# Altium PCB RFFE-Ver1A.PcbDoc (part 2 of 7)
Units mm, origin at the board's own origin, x right, y up, seen from the top; angles counter-clockwise.
Board outline 301.4 x 196.6 mm, 10 copper layers (RFsignal Top, Ground RF signal, Supply, SupplyGND, Digital signal, DigitalGND, CallTone RF, Ground Calltone, Ground RF signal (Plane6), RFsignal Bottom), stack 1.907 mm thick; 558 components, 369 nets, 2153 pads, 4580 vias.
Unrouted connection lines stored in the file: 1.
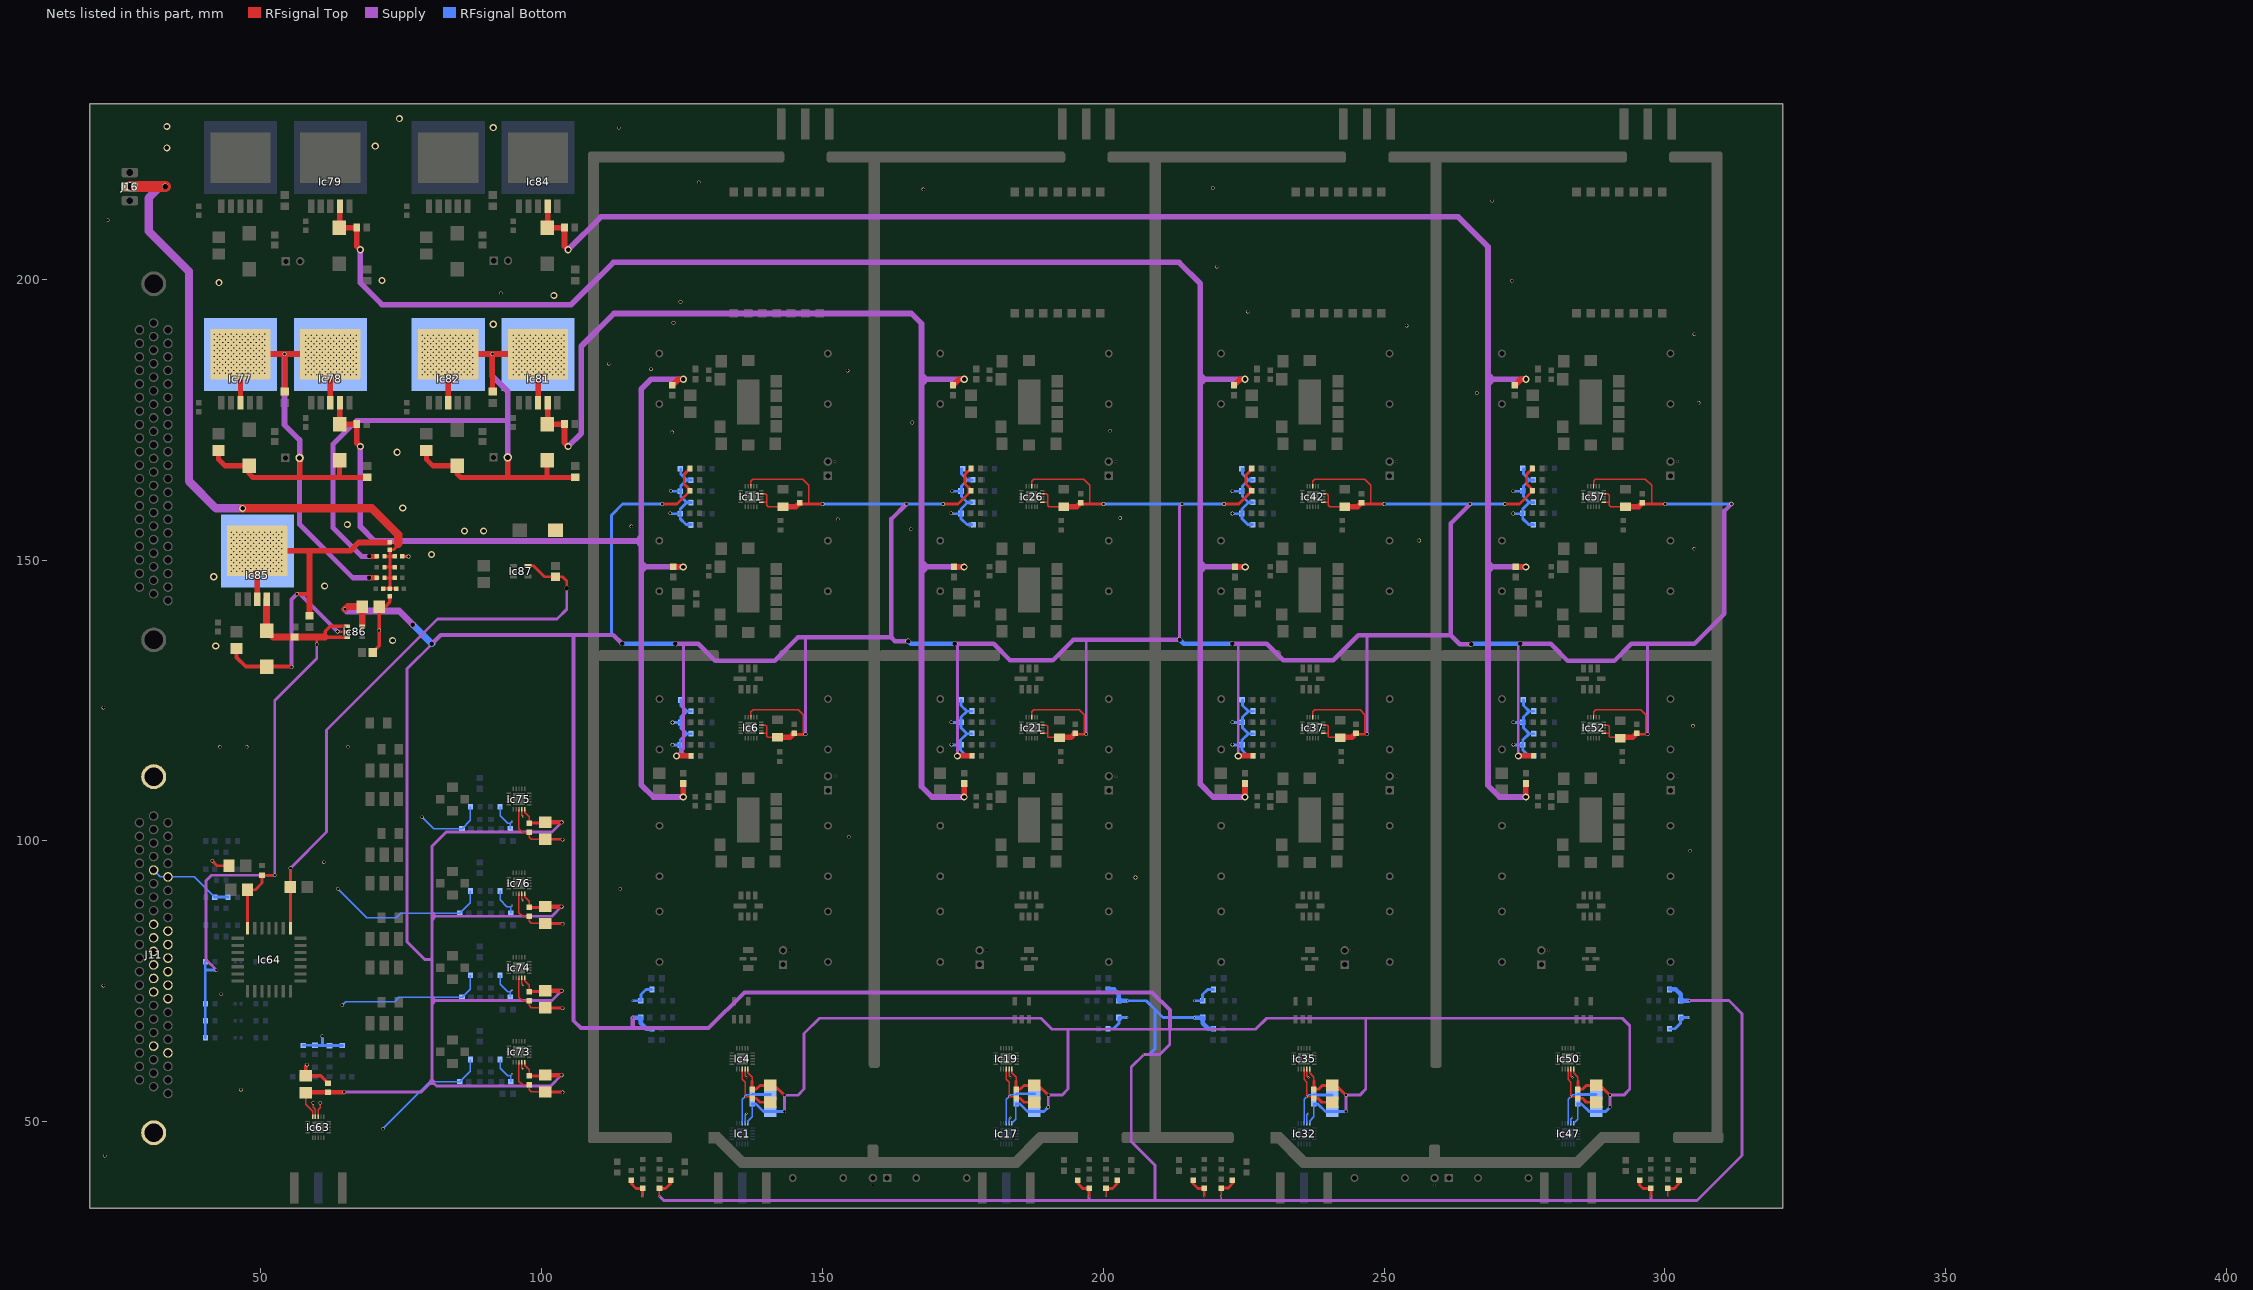
[diagram p10: the nets of this part, all layers, seen from the top]

## Part data
C1 C2 C3 C5 C7 C20 C21 C22 C23 C24 C26 C28 C41 C42 C43 C44 C45 C47 C49 C62 C63 C64 C65 C66 C68 C70 C82 C84 C94 C104 C105 C106 C107: "CAP CER 100PF 50V 5% NP0 0603"
C4 C6 C25 C27 C46 C48 C67 C69: library part GRM31C5C1E104JA01L, "CAP CER 0.1UF 25V 5% NP0 1206"
C8 C9 C10 C11 C12 C13 C14 C15 C16 C17 C29 C30 C31 C32 C33 C34 C35 C36 C37 C38 C50 C51 C52 C53 C54 C55 C56 C57 C58 C59 C72 C73 C74 C75 C76 C77 C78 C79 C80 C81 C87 C88 C89 C90 C91 C92 C96 C97 C98 C99 C100 C101 C102 C103: "CAP CER 47PF 50V 5% NP0 0603"
C18 C19 C39 C40 C60 C61 C71 C83 C85 C86 C93 C95 C108 C109 C110 C111 C131 C133 C135 C137 C138 C141 C142 C143 C147 C149 C150 C154: library part T495B475K016ZTE800, "CAP TANT 4.7UF 16V 10% 1411"
C112 C113 C114 C115 C118 C119 C120 C121 C127 C129: library part T495D336K016ATE150, "CAP TANT 33UF 16V 10% 2917"
C116 C117 C122 C123 C124 C125 C128: library part T520B106M016ATE100, "CAP TANT 10UF 16V 20% 1411"
C126 C130: library part C2012C0G1H103J/0.60, "CAP CER 10000PF 50V 5% NP0 0805"
C132 C134 C136 C139 C140 C144 C145 C146 C148 C151 C152 C153: "CAP CER 1000PF 50V 5% NP0 0603"
D1 D2 D3 D4: "DIODE SCHOTTKY SS 30V 100MA 2VMN"
Ic1 Ic4 Ic17 Ic19 Ic32 Ic35 Ic47 Ic50 Ic63 Ic73 Ic74 Ic75 Ic76: library part Minicircuits-HSWA2-30DR+, "Absoptive RF Switch SPDT"
Ic2 Ic14 Ic15 Ic16 Ic29 Ic30 Ic31 Ic33 Ic45 Ic46 Ic48 Ic60 Ic61 Ic62: library part PPG101A1RD
Ic3 Ic18 Ic34 Ic49: library part Minicircuits-SBTC-2-10L, "Power Splitter 2 way"
Ic5 Ic7 Ic8 Ic20 Ic22 Ic23 Ic36 Ic38 Ic39 Ic51 Ic53 Ic54: library part Minicircuits-TAMP-72LN+, "LNA 20 dB Low Noise Figure"
Ic6 Ic11 Ic21 Ic26 Ic37 Ic42 Ic52 Ic57: library part Minicircuits-DAT-31R5-SP+, "Serial Digital Step Attenuator 31.5 step:0.5dB"
Ic9 Ic10 Ic24 Ic25 Ic40 Ic41 Ic55 Ic56: library part TST-TA0568A, "Band Pass Filter FC475MHz 3dB@12MHz"
Ic12 Ic27 Ic43 Ic58: library part Minicircuits-LFCN-530+, "Low Pass Filter 3dB@530MHz"
Ic13 Ic28 Ic44 Ic59: library part Minicircuits-BPF-C495+, "Band Pass Filter FC495MHz 3dB@50MHz"
Ic64: library part Minicircuits-GSWA-4-30DR, "SP4T Absorptive GaAs Switch"
Ic65 Ic66 Ic67 Ic68: library part Minicircuits-ADC-10-4, "Coupler 10 dB"
Ic69: library part Minicircuits-PAT-1+, "Fixed Attenuator 1 dB"
Ic70: library part Minicircuits-PAT-0+, "Fixed Attenuator 0 dB"
Ic71: library part Minicircuits-PAT-2+, "Fixed Attenuator 2 dB"
Ic72: library part Minicircuits-PAT-3+, "Fixed Attenuator 3 dB"
Ic77 Ic78 Ic79 Ic80 Ic81 Ic82 Ic83 Ic84 Ic85: library part LT1764AEQ#PBF
Ic86: "IC LDO REG HI-PSRR 3V SOT23-5"
Ic87: "IC LDO REG NEG LOWNOISE TSOT23-5"
J1 J2 J3 J4 J5 J6 J7 J8 J9: library part 132289RP, "CONN RCPT BLKHD SMA REV POL PCB"
J10 J11: library part 5749639-1, "CONN D-SUB PLUG R/A 62POS 30GOLD"
J12 J13 J14 J15: library part 4-103321-4, "CONN HEADR BRKWAY .100 2POS STR"
J16: "CONN TERM BLK HDR 2.5MM 3POS"
L1 L2 L3 L4 L5 L6 L7 L8 L9 L10 L11 L12: "FERRITE CHIP 600 OHM 800MA 0603"
R1 R2 R3 R4 R5 R6 R7 R8 R9 R10 R11 R12 R13 R14 R37 R38 R39 R40 R41 R42 R45 R46 R47 R48 R51 R52 R53 R54 R55 R56 R57 R58 R59 R60 R61 R62 R63 R64 R84 R85 R86 R87 R88 R89 R95 R96 R97 R98 R99 R100 R101 R102 R103 R104 R105 R106 R107 R108 R109 R110 R111 R112 R135 R136 R137 R138 R139 R140 R143 R144 R145 R146 R149 R150 R151 R152 R153 R154 R155 R156 R157 R158 R159 R160 R161 R162 R184 R185 R186 R187 R188 R189 R193 R194 R195 R196 R201 R202 R203 R205 R213 R214 R215 R216 R217 R218 R241 R242 R243 R244 R245 R246 R247 R248: "RES 10K OHM 1/10W 5% 0603 SMD"
R15 R16 R17 R25 R26 R34 R35 R36 R43 R44 R49 R50 R68 R69 R70 R72 R73 R90 R91 R92 R93 R94 R115 R116 R117 R120 R121 R132 R133 R134 R141 R142 R147 R148 R167 R168 R169 R170 R171 R172 R173 R190 R191 R192: "RES 46.4 OHM 1% 50PPM 1/2W"
R18 R19 R20 R21 R65 R66 R67 R113 R114 R118 R119 R163 R164 R165 R166 R225 R226 R227 R228 R229 R230 R231 R232: library part ERJ-3GEY0R00V, "RES 0.0 OHM 1/10W 0603 SMD"
R22 R23 R24 R27 R28 R29 R30 R31 R32 R33 R74 R75 R76 R77 R78 R79 R80 R81 R82 R83 R122 R123 R124 R125 R126 R127 R128 R129 R130 R131 R174 R175 R176 R177 R178 R179 R180 R181 R182 R183 R207 R208 R209 R210 R211 R212 R219 R233 R234 R235 R236 R237 R238 R239 R240: "RES 100 OHM 1/10W 5% 0603 SMD"
R71 R204 R206 R249 R250 R251 R252 R261 R262 R263 R264 R273: "RES 0.0 OHM 1/10W 0603 SMD"
R197 R198 R199 R200: "RES 10 OHM 1/10W 5% 0603 SMD"
R220 R221 R222 R223 R224: library part CHF1206CNT500LW, "RES 50 OHM 20W 5% 1206 SMD"
R253 R254 R255 R256 R265 R266 R267 R268 R274: library part ERA-6AEB472V, "RES 4.7K OHM 1/8W .1% 0805 SMD"
R257 R259 R269 R271 R275: library part ERA-6AEB102V, "RES 1.0K OHM 1/8W .1% 0805 SMD"
R258 R260 R270 R272: library part ERA-6AEB152V, "RES 1.5K OHM 1/8W .1% 0805 SMD"

## Free pads (board coordinates)
  rrect50% 2x176 smd: 0(109.25,134.52) 0(309.25,134.26)
  rrect50% 15x2 smd: 0(115.75,47.195) 0(215.75,47.195)
  rrect50% 21.5x2 smd: 0(120.875,133) 0(170.875,133) 0(220.875,133) 0(270.875,133)
  rrect50% 35x2 smd: 0(125.75,221.75) 0(175.75,221.75) 0(225.75,221.75) 0(275.75,221.75)
  rect 2x2 smd: 0(130.76,47.16) 0(230.76,47.16)
  rect 7x2 smd rot 135: 0(133.525,44.975) 0(233.525,44.975)
  rect 25x2 smd: 0(147.89,42.75) 0(172.25,42.75) 0(247.89,42.75) 0(272.25,42.75)
  rrect50% 18x2 smd: 0(151.25,133) 0(201.25,133) 0(251.25,133) 0(301.25,133)
  rrect50% 9.5x2 smd: 0(155.5,221.75) 0(205.5,221.75) 0(255.5,221.75) 0(305.5,221.75)
  rrect50% 2x4 smd: 0(159,44) 0(259,44)
  rrect50% 2x162 smd mask+0.102: 0(159.25,140.6) 0(259.25,140.6)
  rect 7x2 smd rot 45: 0(186.62,44.975) 0(286.62,44.975)
  rect 7x2 smd: 0(191.985,47.195) 0(291.985,47.195)
  rrect50% 7x2 smd: 0(206.74,47.195)
  rect 2x176 smd: 0(209.25,134.52)
  rrect50% 9x2 smd: 0(305.94,47.195)
  rect 13x13 smd far side: ""(46.4,186.65) ""(46.4,221.65) ""(49.4,151.65) ""(62.4,186.65) ""(62.4,221.65) ""(83.4,186.65) ""(83.4,221.65) ""(99.4,186.65) ""(99.4,221.65)

## Via types
v1: diameter 0.35, hole 0.254, RFsignal Top to RFsignal Bottom, 1882 vias
v2: diameter 0.635, hole 0.508, RFsignal Top to RFsignal Bottom, 1038 vias
v3: diameter 0.33, hole 0.254, RFsignal Top to RFsignal Bottom, 963 vias
v4: diameter 0.381, hole 0.254, RFsignal Top to RFsignal Bottom, 596 vias
v5: diameter 1.27, hole 0.762, RFsignal Top to RFsignal Bottom, 41 vias
v6: diameter 3.9, hole 2.65, RFsignal Top to RFsignal Bottom, 20 vias
v7: diameter 0.85, hole 0.8, RFsignal Top to RFsignal Bottom, 15 vias
v8: diameter 0.635, hole 0.508, RFsignal Top to RFsignal Bottom, tented bottom, 9 vias
v9: diameter 0.6, hole 0.508, RFsignal Top to RFsignal Bottom, 8 vias
v10: diameter 5, hole 3.5, RFsignal Top to RFsignal Bottom, 4 vias
v11: diameter 1.1, hole 1, RFsignal Top to RFsignal Bottom, 2 vias
v12: diameter 1.27, hole 0.762, RFsignal Top to RFsignal Bottom, tented top, 1 vias
v13: diameter 0.85, hole 0.8, RFsignal Top to RFsignal Bottom, tented top, 1 vias

## Nets (pads, with @x,y where several pads share a name; then routed paths per layer and width w, separated by ;. In a path a pad name is that pad's centre, name@x,y a point inside that pad or via, vN(x,y) a via of type N, cw(c..) or ccw(c..) an arc to the next point about the centre after c; other vN are vias at no path point)
3VGND: C18.2 C19.2 C20.2 C21.2 C39.2 C40.2 C41.2 C42.2 C60.2 C61.2 C62.2 C63.2 C71.2 C82.2 C83.2 C84.2 C93.2 C94.2 C104.2 C105.2 C106.2 C107.1 C108.2 C109.2 C110.2 C111.2 C125.2 C130.2 Ic1.18 Ic4.18 Ic17.18 Ic19.18 Ic32.18 Ic35.18 Ic47.18 Ic50.18 Ic63.18 Ic73.18 Ic74.18 Ic75.18 Ic76.18 Jmp7.1 | length 148.3
  RFsignal Top w0.254: Ic63.18@60.248,50.895 60.248,52.148 60.6,52.5 v2(60.6,53.4) ; Ic73.18@95.99,60.625 95.99,57.21 96.62,56.58 C107.1@97.79,56.58 97.79,55.716 98.176,55.33 C111.2@100.69,55.33 ; Ic74.18@95.99,75.625 95.99,72.21 96.62,71.58 C105.2@97.79,71.58 97.79,70.716 98.176,70.33 C109.2@100.69,70.33 ; Ic76.18@95.99,90.625 95.99,87.21 96.62,86.58 C106.2@97.79,86.58 97.79,85.716 98.176,85.33 C110.2@100.69,85.33 ; Ic75.18@95.99,105.625 95.99,102.21 96.62,101.58 C104.2@97.79,101.58 ; C104.2@97.79,101.57 97.79,100.706 98.176,100.32 C108.2@100.69,100.32 ; Ic4.18@135.75,59.405 135.75,57.55 136.25,57.05 v3(136.25,54.5) 137.2,54.5 C21.2@137.5,54.2 ; Ic19.18@182.75,59.405 182.75,57.55 183.25,57.05 v3(183.25,54.5) C42.2@184.2,54.5 ; Ic35.18@235.75,59.405 235.75,57.55 236.25,57.05 v3(236.25,54.5) C63.2@237.2,54.5 ; Ic50.18@282.75,59.405 282.75,57.55 283.25,57.05 v3(283.25,54.5) C84.2@284.2,54.5
  RFsignal Top w0.508: C111.2@100.69,55.33 v2@103.75,55.33 ; C109.2@100.69,70.25 v2(103.75,70.25) ; C110.2@100.69,85.33 103.75,85.33 v2(103.75,85.25) ; C108.2@100.69,100.32 103.75,100.32 v2(103.75,100.25) ; C21.2@137.5,54.2 138.2,54.2 138.9,53.5 C19.2@140.75,53.5 ; C42.2@184.5,54.2 185.2,54.2 185.9,53.5 C40.2@187.75,53.5 ; C63.2@237.5,54.2 238.2,54.2 238.9,53.5 C61.2@240.75,53.5 ; C84.2@284.5,54.2 285.3,54.2 286,53.5 C83.2@287.75,53.5
  RFsignal Top w0.6: v2(58.25,60.2) 58,59.95 C93.2@58,58.2 60.7,58.2 C94.2@62,56.9 ; C130.2@69.95,133.6 71.1,134.75 v2(71.1,137.5) C125.2@71.1,141.7 72.15,141.7 73,142.55 Jmp7.1@73,143.6
  RFsignal Bottom w0.254: Ic1.18@135.75,49.745 135.75,54 v3(136.25,54.5) 136.55,54.8 C20.2@137.5,54.8 ; Ic17.18@182.75,49.745 182.75,54 v3(183.25,54.5) 183.55,54.8 C41.2@184.5,54.8 ; Ic32.18@235.75,49.745 235.75,54 v3(236.25,54.5) 236.55,54.8 C62.2@237.5,54.8 ; Ic47.18@282.75,49.745 282.75,54 v3(283.25,54.5) 283.55,54.8 C82.2@284.5,54.8
  RFsignal Bottom w0.508: C20.2@137.55,54.85 C18.2@140.75,54.85 ; C41.2@184.5,54.8 184.7,55 C39.2@187.75,55 ; C62.2@237.5,54.8 C60.2@240.7,54.8 ; C82.2@284.55,54.85 C71.2@287.75,54.85
  other v2: 103.75,55.25
  other v5: 42,134.7 73.5,135.7 61.4,145.4 41.663,147.049 80.4,151 86.3,155.2 89.7,155.2 65.433,156.328 75.3,159.3 74.3,169.2 91.4,192 102.2,197.1 42.6,199.4 71.6,199.8 33.3,223.4 70.4,223.7 91.4,227 33.3,227.2 74.7,228.6
5VGND: C128.2 C129.2 Ic85.3 Ic85.6 Ic86.2 Jmp3.1 pad.@49.4,151.65 R275.2 | length 83.5
  RFsignal Top w0.508: v2@63.75,137.25 Ic86.2@65.4,137.25
  RFsignal Top w0.7: C128.2@45.7,134.25 45.7,132.7 47.35,131.05 C129.2@51.05,131.05 v2@55.45,131.05 ; v2(56.5,144) 58.7,144
  RFsignal Top w1: Ic85.3@49.4,143 Ic85.6@49.4,151.65 65.95,151.65 67.45,153.15 Jmp3.1@72.95,153.15 ; R275.2@58.7,140.1 58.7,151.6
  Supply w0.7: v2(55.5,131) 55.5,143 v2(56.5,144) 57,144 v2(63.7,137.3)
  other v1: 44.75,148 45.75,148 46.75,148 47.75,148.013 48.75,148 49.75,148 50.75,148 51.75,148 52.75,148 53.75,148.013 45.25,148.5 46.25,148.5 47.25,148.5 49.25,148.5 50.25,148.5 51.25,148.5 52.25,148.5 53.25,148.5 48.25,148.513 44.75,149 45.75,149 46.75,149 48.75,149 49.75,149 50.75,149 51.75,149 52.75,149 47.75,149.013 53.75,149.013 45.25,149.5 46.25,149.5 47.25,149.5 48.25,149.513 49.25,149.5 50.25,149.5 51.25,149.5 52.25,149.5 53.25,149.5 44.75,150 45.75,150 46.75,150 47.75,150.013 48.75,150 49.75,150 50.75,150 51.75,150 52.75,150 53.75,150.013 45.25,150.5 46.25,150.5 47.25,150.5 49.25,150.5 50.25,150.5 51.25,150.5 52.25,150.5 53.25,150.5 48.25,150.513 44.75,151 45.75,151 46.75,151 47.75,151.013 48.75,151 49.75,151 50.75,151 51.75,151 52.75,151 53.75,151.013 45.25,151.5 46.25,151.5 47.25,151.5 48.25,151.513 49.25,151.5 50.25,151.5 51.25,151.5 52.25,151.5 53.25,151.5 44.75,152 45.75,152 46.75,152 48.75,152 49.75,152 50.75,152 51.75,152 52.75,152 47.75,152.013 53.75,152.013 45.25,152.5 46.25,152.5 47.25,152.5 48.25,152.513 49.25,152.5 50.25,152.5 51.25,152.5 52.25,152.5 53.25,152.5 44.75,153 45.75,153 46.75,153 47.75,153.013 48.75,153 49.75,153 50.75,153 51.75,153 52.75,153 53.75,153.013 45.25,153.5 46.25,153.5 47.25,153.5 49.25,153.5 50.25,153.5 51.25,153.5 52.25,153.5 53.25,153.5 48.25,153.513 44.75,154 45.75,154 46.75,154 48.75,154 49.75,154 50.75,154 51.75,154 52.75,154 47.75,154.013 53.75,154.013 45.25,154.5 46.25,154.5 47.25,154.5 48.25,154.513 49.25,154.5 50.25,154.5 51.25,154.5 52.25,154.5 53.25,154.5 44.75,155 45.75,155 46.75,155 48.75,155 49.75,155 50.75,155 51.75,155 52.75,155 47.75,155.013 53.75,155.013
+3V: C4.1 C5.1 C6.1 C7.1 C14.1 C16.1 C18.1 C19.1 C20.1 C21.1 C25.1 C26.1 C27.1 C28.1 C36.1 C38.1 C39.1 C40.1 C41.1 C42.1 C46.1 C47.1 C48.1 C49.1 C56.1 C58.1 C60.1 C61.1 C62.1 C63.1 C67.1 C68.1 C69.1 C70.1 C71.1 C76.1 C81.1 C82.1 C83.1 C84.1 C93.1 C94.1 C104.1 C105.1 C106.1 C107.2 C108.1 C109.1 C110.1 C111.1 C125.1 Ic1.20 Ic4.20 Ic6.6 Ic6.9 Ic6.13 Ic11.6 Ic11.9 Ic11.13 Ic17.20 Ic19.20 Ic21.6 Ic21.9 Ic21.13 Ic26.6 Ic26.9 Ic26.13 Ic32.20 Ic35.20 Ic37.6 Ic37.9 Ic37.13 Ic42.6 Ic42.9 Ic42.13 Ic47.20 Ic50.20 Ic52.6 Ic52.9 Ic52.13 Ic57.6 Ic57.9 Ic57.13 Ic63.20 Ic73.20 Ic74.20 Ic75.20 Ic76.20 Ic86.5 R6.1 R10.1 R11.1 R45.1 R47.1 R56.1 R60.1 R61.1 R96.1 R98.1 R104.1 R108.1 R109.1 R143.1 R145.1 R154.1 R158.1 R159.1 R194.2 R196.2 | length 1976
  RFsignal Top w0.254: C93.1@58,55.2 58,53.119 59.248,51.871 Ic63.20@59.248,50.895 ; Ic73.20@96.99,60.625 96.99,60.11 97.79,59.31 C107.2@97.79,58.18 ; Ic74.20@96.99,75.625 96.99,75.11 97.79,74.31 C105.1@97.79,73.18 ; Ic76.20@96.99,90.625 96.99,90.11 97.79,89.31 C106.1@97.79,88.18 ; Ic75.20@96.99,105.625 96.99,105.11 97.79,104.31 C104.1@97.79,103.18 ; v3(121,36.75) C14.1@121,38.15 ; Ic4.20@136.75,59.405 136.75,58.733 137.5,57.983 137.5,57.25 ; Ic6.13@137.29,121.995 137.29,122.988 137.671,123.369 145.731,123.369 146.6,122.5 146.6,119.035 ; Ic11.13@137.29,163.165 137.29,164.042 137.618,164.37 146.541,164.37 147.615,163.296 147.615,160.004 ; Ic6.6@139.135,119.15 140.1,119.15 ; Ic6.9@139.135,120.65 139.85,120.65 140.1,120.4 140.1,119.15 ; Ic11.6@139.135,160.32 140.1,160.32 ; Ic11.9@139.135,161.82 139.85,161.82 140.1,161.57 140.1,160.32 ; C4.1@142,118.45 140.25,118.45 140.1,118.6 140.1,119.15 ; C6.1@142.979,159.524 140.346,159.524 140.1,159.77 140.1,160.32 ; Ic19.20@183.75,59.405 183.75,58.733 184.5,57.983 184.5,57.25 ; Ic21.13@187.29,121.995 187.29,122.988 187.671,123.369 195.731,123.369 196.6,122.5 196.6,119.03 ; Ic26.13@187.29,163.165 187.29,164.042 187.618,164.37 196.541,164.37 197.615,163.296 197.615,160.004 ; Ic21.6@189.135,119.15 190.1,119.15 ; Ic21.9@189.135,120.65 189.85,120.65 190.1,120.4 190.1,119.15 ; Ic26.6@189.135,160.32 190.1,160.32 ; Ic26.9@189.135,161.82 189.85,161.82 190.1,161.57 190.1,160.32 ; C25.1@192,118.45 190.25,118.45 190.1,118.6 190.1,119.15 ; C27.1@192.979,159.524 190.346,159.524 190.1,159.77 190.1,160.32 ; v3(221,36.75) C56.1@221,38.15 ; Ic35.20@236.75,59.405 236.75,58.733 237.5,57.983 237.5,57.25 ; Ic37.13@237.29,121.995 237.29,122.988 237.671,123.369 245.731,123.369 246.6,122.5 246.6,119.04 ; Ic42.13@237.29,163.165 237.29,164.042 237.618,164.37 246.541,164.37 247.615,163.296 247.615,160.014 ; Ic37.6@239.135,119.15 240.1,119.15 ; Ic37.9@239.135,120.65 239.85,120.65 240.1,120.4 240.1,119.15 ; Ic42.6@239.135,160.32 240.1,160.32 ; Ic42.9@239.135,161.82 239.85,161.82 240.1,161.57 240.1,160.32 ; C46.1@242,118.45 240.25,118.45 240.1,118.6 240.1,119.15 ; C48.1@242.979,159.524 240.346,159.524 240.1,159.77 240.1,160.32 ; Ic50.20@283.75,59.405 283.75,58.733 284.5,57.983 284.5,57.25 ; Ic52.13@287.29,121.995 287.29,122.988 287.671,123.369 295.731,123.369 296.6,122.5 v2@296.6,119.05 ; Ic57.13@287.29,163.165 287.29,164.042 287.618,164.37 296.541,164.37 297.615,163.296 297.615,160.022 ; Ic52.6@289.135,119.15 290.1,119.15 ; Ic52.9@289.135,120.65 289.85,120.65 290.1,120.4 290.1,119.15 ; Ic57.6@289.135,160.32 290.1,160.32 ; Ic57.9@289.135,161.82 289.85,161.82 290.1,161.57 290.1,160.32 ; C67.1@292,118.45 290.25,118.45 290.1,118.6 290.1,119.15 ; C69.1@292.979,159.524 290.346,159.524 290.1,159.77 290.1,160.32
  RFsignal Top w0.508: C107.2@97.79,58.18 100.54,58.18 C111.1@100.69,58.33 ; C105.1@97.79,73.18 C109.1@100.54,73.18 ; C106.1@97.79,88.18 C110.1@100.54,88.18 ; C104.1@97.79,103.18 C108.1@100.54,103.18 ; C14.1@121,38.15 122.1,38.15 123,39.05 R45.1@123,39.6 ; v2(121.5,160) 124.12,160 R6.1@126.44,162.32 126.44,162.544 125.406,163.578 125.406,165.286 R10.1@126.44,166.32 ; 137.5,57.25 137.5,55.8 138.2,55.8 138.9,56.5 141.5,56.5 v9(143.25,54.75) ; C5.1@145.18,118.99 v2@147,118.99 ; C7.1@145.98,160.2 146.18,160 v2(150.05,160) ; v2(171.5,160) 174.12,160 R56.1@176.44,162.32 176.44,162.544 175.406,163.578 175.406,165.286 R60.1@176.44,166.32 ; 184.5,57.25 184.5,55.8 185.2,55.8 185.9,56.5 C40.1@187.75,56.5 ; C40.1@188.5,56.5 v9(190.25,54.75) ; C26.1@195.15,119.01 v2(196.97,119.01) ; R96.1@195.5,39.6 195.5,39 196.35,38.15 C36.1@197.5,38.15 v3(197.5,36.75) ; C28.1@195.98,160.2 196.18,160 v2(200.05,160) ; C56.1@221,38.15 221.102,38.252 222.25,38.252 223,39.002 R143.1@223,39.6 ; v2(221.5,160) 224.12,160 R104.1@226.44,162.32 226.44,162.544 225.406,163.578 225.406,165.107 R108.1@226.619,166.32 ; 237.5,57.25 237.5,55.8 238.3,55.8 239,56.5 C61.1@240.75,56.5 ; C61.1@241.5,56.5 v9(243.25,54.75) ; C47.1@245.16,119.01 v2(246.98,119.01) ; C49.1@245.98,160.2 246.18,160 v2(250.05,160) ; v2(271.5,160) 274.12,160 R154.1@276.44,162.32 276.44,162.544 275.406,163.578 275.406,165.286 R158.1@276.44,166.32 ; 284.5,57.25 284.5,55.8 285.3,55.8 286,56.5 C83.1@287.75,56.5 ; C83.1@288.5,56.5 v9(290.25,54.75) ; C68.1@295.09,119.01 v2(296.91,119.01) ; R196.2@295.5,39.6 295.5,38.75 296.1,38.15 C81.1@297.5,38.15 v3(297.5,36.75) ; C70.1@295.98,160.2 296.18,160 v2(300.05,160)
  RFsignal Top w0.8: C93.1@58.1,55.3 v2(64.88,55.3) ; C111.1@100.69,58.33 v2(103.57,58.33) ; C109.1@100.69,73.33 v2(103.57,73.33) ; C110.1@100.69,88.33 v2(103.57,88.33) ; C108.1@100.69,103.32 v2(103.57,103.32)
  RFsignal Top w0.965: C6.1@142.979,159.524 145.304,159.524 C7.1@145.98,160.2 ; C27.1@192.979,159.524 195.304,159.524 C28.1@195.98,160.2 ; C48.1@242.979,159.524 245.304,159.524 C49.1@245.98,160.2 ; C69.1@292.979,159.524 295.304,159.524 C70.1@295.98,160.2
  RFsignal Top w1: v5(124.02,115.13) R11.1@126.57,115.15 ; C4.1@142,118.45 144.25,118.45 C5.1@145,119.2 ; v5(174.03,115.13) R61.1@176.58,115.15 ; C25.1@192,118.45 194.25,118.45 C26.1@195,119.2 ; v5(224.03,115.13) R109.1@226.58,115.15 ; C46.1@242,118.45 244.25,118.45 C47.1@245,119.2 ; v5(273.9,115.13) R159.1@276.45,115.15 ; C67.1@292,118.45 294.25,118.45 C68.1@295,119.2
  RFsignal Top w1.2: v2(65,141.25) 65.5,141.75 C125.1@67.95,141.75 ; Ic86.5@68.1,138.2 C125.1@68.1,141.6
  Supply w0.254: 221,36.04 v3(221,36.75)
  Supply w0.508: v2(64.88,55.3) 78.6,55.3 80.244,56.944 ; 80.5,57.4 80.5,71.6 ; v7(80.5,135.1) 76.06,130.66 76.06,82.052 79.215,78.897 80.5,78.897 ; 80.647,72.152 cw(c80.15,71.6) 80.65,71.05 ; 80.647,87.152 cw(c80.15,86.6) 80.65,86.05 ; 80.756,56.944 81.3,56.4 101.64,56.4 v2(103.57,58.33) ; v2(103.57,73.33) 101.84,71.6 80.5,71.6 ; v2(103.57,88.33) 101.84,86.6 80.5,86.6 ; v2(103.57,103.32) 101.84,101.59 83.035,101.59 80.5,99.055 80.5,86.6 ; v3(121,36.75) 121.77,35.98 305.73,35.98 313.75,44 313.75,69.25 311.4,71.6 v3(304.3,71.6) ; v7(123.8,135.1) v7@124.02,134.88 ; v5(124.02,115.13) 125.25,116.36 125.25,135.1 ; v9(143.253,51.85) 143.253,54.747 145.663,54.747 146.753,55.837 146.753,65.711 149.489,68.447 188.903,68.447 190.875,66.475 211.725,66.475 ; v2@147,118.99 147,136.25 ; v7(173.6,135.1) 174.03,134.67 v5(174.03,115.13) ; v9(190.22,52.6) 190.22,54.72 v9(190.25,54.75) 192.66,54.75 193.75,55.84 193.75,66.417 ; v2(196.97,119.01) 196.97,135.82 ; 197.5,36.02 v3(197.5,36.75) ; 209.25,35.99 209.25,42.25 205,46.5 205,59.75 v3(207.25,62) 210.07,62 211.858,63.788 211.858,66.475 227.125,66.475 229.1,68.45 246.75,68.45 ; v7(213.6,135.85) 213.6,159.56 v2(214.01,159.97) ; v5(224.03,115.13) 224.03,135.07 ; v9(243.25,51.85) v9(243.25,54.75) 245.66,54.75 246.75,55.84 246.75,68.45 ; v2(246.98,119.01) 246.98,136.609 ; v5(273.9,115.13) 273.9,134.75 v7(274.25,135.1) ; v9(290.22,52.6) v9@290.22,54.72 ; v9(290.25,54.75) 292.66,54.75 293.75,55.84 293.75,67.1 292.4,68.45 246.75,68.45 ; v2(296.91,119.01) 296.91,135.09 ; 297.5,36.03 v3(297.5,36.75) ; 80.5,71.6 80.5,78.897 ; 80.5,78.897 80.5,86.6 ; 80.8,57.1 ccw(c80.5,57.1) 80.8,57.1
  Supply w0.7: 105.68,136.593 105.68,67.994 107,66.674 129.729,66.674 136.115,73.06 208.721,73.06 211.858,69.923 211.858,66.475
  Supply w0.8: v7(80.5,135.1) 82.073,136.673 112.793,136.673 v7(114.363,135.103) ; 116.25,66.724 v3(116.25,68.55) ; v7(123.8,135.1) 125.25,135.1 127.9,135.1 130.9,132.1 141.5,132.1 145.65,136.25 162.25,136.25 ; v2(164.96,159.97) 162.39,157.4 162.25,157.4 162.25,136.25 ; v7(165.25,135.6) 162.9,135.6 162.25,136.25 ; v7(173.6,135.1) 180.5,135.1 183.4,132.2 191.05,132.2 194.7,135.85 v7(213.6,135.85) ; v7(222.95,135.1) 229.1,135.1 232.05,132.15 240.95,132.15 245.429,136.629 261.871,136.629 ; v2(265.31,159.97) 261.871,156.531 261.871,136.629 ; v7(265.5,135) 263.5,135 261.871,136.629 ; v7(274.25,135.1) 279.65,135.1 282.7,132.05 290.95,132.05 294,135.1 305.25,135.1 310.6,140.45 310.6,158.75 v2(311.85,160)
  Supply w1.2: v2(65,141.25) 65.325,140.925 74.675,140.925 v7(77.1,138.5)
  RFsignal Bottom w0.254: Ic1.20@136.75,49.745 136.75,50.15 137.5,50.9 C20.1@137.5,53.2 ; Ic17.20@183.75,49.745 184.467,50.462 C41.1@184.467,53.2 ; Ic32.20@236.75,49.745 236.75,50.15 237.5,50.9 C62.1@237.5,53.2 ; Ic47.20@283.75,49.745 284.467,50.462 C82.1@284.467,53.2
  RFsignal Bottom w0.508: v7@114.304,135.1 112.45,136.954 112.45,158 114.45,160 v2(121.5,160) ; C20.1@137.5,53.2 138.2,53.2 139.55,51.85 v9(143.253,51.85) ; v2(150.05,160) v2(171.5,160) ; C41.1@184.467,53.2 185.167,53.2 186.517,51.85 189.47,51.85 v9(190.22,52.6) ; v2(200.05,160) v2(221.5,160) ; v3(204.25,71.55) 207.67,71.55 209.21,70.01 ; v3(207.25,62) 208.21,62 209.21,63 209.21,70.01 ; v3(216.25,68.55) 210.67,68.55 209.21,70.01 ; C62.1@237.497,53.2 238.197,53.2 239.547,51.85 v9(243.25,51.85) ; v2(250.05,160) v2(271.5,160) ; C82.1@284.467,53.2 285.167,53.2 286.517,51.85 289.47,51.85 v9(290.22,52.6) ; v2(300.05,160) v2(311.85,160)
  RFsignal Bottom w0.8: v7@114.304,135.1 v7(123.8,135.1) ; v3@116.27,68.57 C16.1@117.7,68.57 117.7,67.55 118.68,66.57 R47.1@119.65,66.57 ; v7(165.25,135.6) 165.75,135.1 v7(173.6,135.1) ; R98.1@200.85,73.57 201.93,73.57 202.8,72.7 C38.1@202.8,71.57 v3@204.23,71.57 ; v7(213.6,135.85) 214.35,135.1 v7(222.95,135.1) ; v3@216.27,68.57 C58.1@217.7,68.57 217.7,67.55 218.68,66.57 R145.1@219.65,66.57 ; v7@265.6,135.1 v7(274.25,135.1) ; R194.2@300.85,73.57 301.93,73.57 302.8,72.7 C76.1@302.8,71.57 v3@304.23,71.57
  RFsignal Bottom w1.2: v7(77.1,138.5) v7(80.5,135.1)
  other v2: 147,119
A+5V: C113.1 Ic78.4 L1.2 L2.1 L3.2 R254.1 | length 181.1
  RFsignal Top w1: Ic78.4@64.1,177.998 C113.1@64.1,174.2 R254.1@67.1,174.2 ; R254.1@67.1,174.25 R254.1@67.1,174.2 ; v5(67.75,170.25) 67.1,170.9 R254.1@67.1,174.2 ; L2.1@123.28,181.14 124.34,182.2 v5(125.25,182.2) ; L3.2@123.45,148.8 v12@125.23,148.8 ; v5(125.24,107.84) L1.2@125.24,110.24
  Supply w1: v5(67.75,170.25) 67.75,155.95 70.3,153.4 117.75,153.4 ; 117.744,148.189 ccw(c117.645,148.795) 117.75,149.4 ; 117.75,152.6 cw(c118.55,153.4) 117.75,154.2 ; v5(125.24,107.84) 119.91,107.84 117.75,110 117.75,148.79 ; v12(125.24,148.79) 117.75,148.79 ; v5(125.25,182.2) 119.5,182.2 117.75,180.45 117.75,153.4 ; 117.75,148.79 117.75,153.4
B+5V: C115.1 Ic79.4 L7.2 L8.1 L9.2 R256.1 | length 296.6
  RFsignal Top w1: Ic79.4@64.1,212.998 64.1,209.2 67.1,209.2 67.1,205.9 v5(67.75,205.25) ; L8.1@223.28,181.14 224.34,182.2 v5(225.25,182.2) ; L9.2@223.46,148.81 v5@225.24,148.81 ; v5(225.24,107.84) L7.2@225.24,110.24
  Supply w1: v5(67.75,205.25) 67.75,199.35 71.6,195.5 105.3,195.5 112.8,203 213.5,203 217.3,199.2 217.3,110.1 219.56,107.84 v5(225.24,107.84) ; 217.294,148.189 ccw(c217.195,148.795) 217.3,149.4 ; 217.294,181.589 ccw(c217.195,182.195) 217.3,182.8 ; 217.31,148.79 v5(225.28,148.79) ; 217.4,182.2 v5(225.25,182.2)
C+5V: C119.1 Ic81.4 L4.1 L5.2 L6.2 R266.1 | length 209.4
  RFsignal Top w1: C119.1@101.1,174.2 104.1,174.2 104.1,170.9 v5(104.75,170.25) ; C119.1@101.102,174.302 Ic81.4@101.102,178 ; L4.1@173.28,181.14 174.34,182.2 v5(175.25,182.2) ; L6.2@173.46,148.81 v5@175.24,148.81 ; v5(175.24,107.84) L5.2@175.24,110.24
  Supply w1: v5(104.75,170.25) 107.073,172.572 107.073,188.073 112.9,193.9 165.85,193.9 167.65,192.1 167.65,109.7 169.51,107.84 v5(175.24,107.84) ; 167.65,182.2 v5(175.25,182.2) ; 167.69,148.79 v5(175.24,148.79) ; 167.744,181.549 ccw(c167.645,182.155) 167.75,182.76 ; 167.844,148.189 ccw(c167.745,148.795) 167.85,149.4
D+5V: C121.1 Ic84.4 L10.2 L11.1 L12.2 R268.1 | length 308
  RFsignal Top w1: C121.1@101.1,209.2 104.1,209.2 104.1,205.9 v5(104.75,205.25) ; C121.1@101.102,209.302 Ic84.4@101.102,213 ; L11.1@273.28,181.14 274.34,182.2 v5(275.25,182.2) ; v5(275.24,107.84) L10.2@275.24,110.24 ; L12.2@273.46,148.81 275.24,148.81 L12.2@273.46,148.81
  Supply w1: v5(104.75,205.25) 110.6,211.1 263.2,211.1 268.5,205.8 268.5,109.9 270.56,107.84 v5(275.24,107.84) ; 268.494,148.189 ccw(c268.395,148.795) 268.5,149.4 ; 268.5,182.2 v5(275.25,182.2) ; 268.59,148.79 v5(275.24,148.79) ; 268.594,181.589 ccw(c268.495,182.195) 268.6,182.8
DGND: C8.2 C9.2 C10.2 C11.2 C12.2 C13.2 C15.1 C17.1 C29.2 C30.2 C31.2 C32.2 C33.2 C34.2 C35.1 C37.1 C50.2 C51.2 C52.2 C53.2 C54.2 C55.2 C57.1 C59.1 C72.2 C73.2 C74.2 C75.1 C77.2 C78.2 C79.2 C80.1 C87.2 C88.2 C89.2 C95.2 C96.2 C97.2 C98.2 C99.2 C100.2 C101.2 C102.2 C103.2 Ic1.19 Ic4.19 Ic17.19 Ic19.19 Ic32.19 Ic35.19 Ic47.19 Ic50.19 Ic63.19 Ic73.19 Ic74.19 Ic75.19 Ic76.19 J11.5 J11.9 J11.10 J11.11 J11.12 J11.13 J11.14 J11.18 J11.26 J11.30 J11.31 J11.32 J11.33 J11.34 J11.35 J11.39 J11.63 J11.64 Jmp5.1 R37.1 R38.1 R39.1 R40.1 R41.1 R42.1 R46.1 R48.1 R84.1 R85.1 R86.1 R87.1 R88.1 R89.1 R95.1 R97.1 R135.1 R136.1 R137.1 R138.1 R139.1 R140.1 R144.1 R146.1 R184.1 R185.1 R186.1 R187.1 R188.1 R189.1 R193.2 R195.2 R213.1 R214.1 R215.1 R241.1 R242.1 R243.1 R244.1 R245.1 R246.1 R247.1 R248.1 | length 336.9
  RFsignal Top w0.254: v2(59.4,53.4) 59.4,52.6 59.748,52.252 Ic63.19@59.748,50.895 ; Ic73.19@96.49,60.625 96.49,59.62 v3(96.73,59.38) ; Ic74.19@96.49,75.625 96.49,74.62 v3(96.73,74.38) ; Ic76.19@96.49,90.625 96.49,89.62 v3(96.73,89.38) ; Ic75.19@96.49,105.625 96.49,104.62 v3(96.73,104.38) ; Ic4.19@136.25,59.405 136.25,58.2 v3(136.55,57.9) ; Ic19.19@183.25,59.405 183.25,58.2 v3(183.55,57.9) ; v3(200.5,36.75) C35.1@200.5,38.15 ; Ic35.19@236.25,59.405 236.25,58.2 v3(236.55,57.9) ; Ic50.19@283.25,59.405 283.25,58.2 v3(283.55,57.9) ; v3(300.5,36.75) C80.1@300.5,38.15
  RFsignal Top w0.508: v2(41.375,96.475) 42.25,95.6 C95.2@44.35,95.6 ; Jmp5.1@75.25,150.65 v2(76.32,150.65) ; R46.1@116,39.6 116,38.99 116.84,38.15 C15.1@118,38.15 v3(118,36.75) ; C35.1@200.5,38.15 201.65,38.15 202.5,39 R95.1@202.5,39.6 ; R144.1@216,39.6 216,39 216.85,38.15 C57.1@218,38.15 v3(218,36.75) ; C80.1@300.5,38.15 301.65,38.15 302.5,39 R195.2@302.5,39.6
  RFsignal Bottom w0.254: J11.26@30.96,94.815 32.165,93.61 J11.5@33.5,93.61 38.19,93.61 C89.2@41.8,90 ; v2(63.75,91.5) 68.88,86.37 74.14,86.37 74.92,87.15 C102.2@85.45,87.15 87.35,89.05 R247.1@87.35,91.1 ; v2(64.5,70.75) 65.14,71.39 73.87,71.39 74.63,72.15 C98.2@85.85,72.15 87.35,73.65 R243.1@87.35,76.1 ; v2(71.75,48.75) 80.15,57.15 C96.2@85.45,57.15 87.35,59.05 R241.1@87.35,61.1 ; v2(78.75,104.25) 80.85,102.15 C100.2@85.85,102.15 87.35,103.65 R245.1@87.35,106.1 ; R242.1@92.65,61.1 92.65,59.5 93.95,58.2 94.55,58.2 ; R244.1@92.65,76.1 92.65,74.5 93.95,73.2 94.45,73.2 ; R248.1@92.65,91.1 92.65,89.5 93.85,88.3 94.55,88.3 ; R246.1@92.65,106.1 92.65,104.5 93.95,103.2 94.45,103.2 ; C99.2@94.45,72.15 94.45,73.2 ; C101.2@94.45,102.15 94.45,103.2 ; C97.2@94.55,57.15 94.55,58.2 ; C103.2@94.55,87.15 94.55,88.3 ; v3(94.75,58.5) 94.55,58.3 94.55,58.2 ; v3(94.75,73.5) 94.45,73.2 ; v3(94.75,88.5) 94.55,88.3 ; v3(94.75,103.5) 94.45,103.2 ; Ic1.19@136.25,49.745 136.25,51.25 v3(136.5,51.5) ; Ic17.19@183.25,49.745 183.25,50.496 v3(183.503,50.749) ; R137.1@226.65,115.15 R137.1@226.7,115.1 ; Ic32.19@236.25,49.745 236.25,51.25 v3(236.5,51.5) ; Ic47.19@283.25,49.745 283.25,50.496 v3(283.503,50.749)
  RFsignal Bottom w0.508: C89.2@41.8,90 R215.1@44.15,90 ; R214.1@57.61,63.63 59.67,63.63 C88.2@59.68,63.62 62.22,63.62 62.26,63.58 R213.1@64.55,63.58 ; 61,63.67 v2(61,65.25) ; v3@116.27,71.57 C17.1@117.7,71.57 117.7,72.65 118.62,73.57 R48.1@119.65,73.57 ; v2(123.32,117.1) C10.2@124.7,117.1 ; v2(123.32,121.1) C9.2@124.8,121.1 ; 123.32,158.27 C13.2@124.7,158.27 ; 123.32,162.27 C12.2@124.8,162.27 ; C8.2@124.8,125.1 124.8,124.15 125.85,123.1 ; C11.2@124.8,166.27 124.8,165.32 125.85,164.27 ; R42.1@126.6,156.32 125.744,156.32 124.7,157.364 C13.2@124.7,158.27 ; R39.1@126.65,115.1 126.6,115.15 125.744,115.15 124.7,116.194 C10.2@124.7,117.1 ; R38.1@126.65,119.1 125.85,119.1 ; R37.1@126.65,123.1 125.85,123.1 ; R41.1@126.65,160.27 125.85,160.27 ; R40.1@126.65,164.27 125.85,164.27 ; v2@173.22,117.1 C31.2@174.6,117.1 ; v2@173.22,121.1 C30.2@174.7,121.1 ; 173.32,158.27 C34.2@174.7,158.27 ; v2@173.32,162.27 C33.2@174.8,162.27 ; C29.2@174.7,125.1 174.7,124.15 175.75,123.1 ; C32.2@174.8,166.27 174.8,165.32 175.85,164.27 ; R86.1@176.5,115.15 175.644,115.15 174.6,116.194 C31.2@174.6,117.1 ; R85.1@176.55,119.1 175.75,119.1 ; R84.1@176.55,123.1 175.75,123.1 ; R89.1@176.6,156.32 175.744,156.32 174.7,157.364 C34.2@174.7,158.27 ; R88.1@176.65,160.27 175.85,160.27 ; R87.1@176.65,164.27 175.85,164.27 ; R97.1@200.85,66.57 201.82,66.57 202.8,67.55 C37.1@202.8,68.57 v3@204.23,68.57 ; v3@216.27,71.57 C59.1@217.7,71.57 217.7,72.65 218.62,73.57 R146.1@219.65,73.57 ; v2@223.32,117.1 C52.2@224.7,117.1 ; v2@223.32,121.1 C51.2@224.8,121.1 ; 223.32,158.27 C55.2@224.7,158.27 ; 223.32,162.27 C54.2@224.8,162.27 ; C50.2@224.8,125.1 224.8,124.15 225.85,123.1 ; C53.2@224.8,166.27 224.8,165.32 225.85,164.27 ; R137.1@226.6,115.15 225.744,115.15 224.7,116.194 C52.2@224.7,117.1 ; R140.1@226.6,156.32 225.744,156.32 224.7,157.364 C55.2@224.7,158.27 ; R136.1@226.65,119.1 225.85,119.1 ; R135.1@226.65,123.1 225.85,123.1 ; R139.1@226.65,160.27 225.85,160.27 ; R138.1@226.65,164.27 225.85,164.27 ; v2@273.32,117.1 C74.2@274.7,117.1 ; v2@273.32,121.1 C73.2@274.8,121.1 ; 273.32,158.27 C79.2@274.7,158.27 ; 273.32,162.27 C78.2@274.8,162.27 ; C72.2@274.8,125.1 274.8,124.15 275.85,123.1 ; C77.2@274.8,166.27 274.8,165.32 275.85,164.27 ; R186.1@276.6,115.15 275.744,115.15 274.7,116.194 C74.2@274.7,117.1 ; R189.1@276.6,156.32 275.744,156.32 274.7,157.364 C79.2@274.7,158.27 ; R185.1@276.65,119.1 275.85,119.1 ; R184.1@276.65,123.1 275.85,123.1 ; R188.1@276.65,160.27 275.85,160.27 ; R187.1@276.65,164.27 275.85,164.27 ; R193.2@300.85,66.57 301.82,66.57 302.8,67.55 C75.1@302.8,68.57 v3@304.23,68.57 ; C10.2@124.7,117.1 124.7,117.95 125.85,119.1 ; C13.2@124.7,158.27 124.7,159.12 125.85,160.27 ; C9.2@124.8,121.1 124.8,120.15 125.85,119.1 ; C9.2@124.8,121.1 124.8,122.05 125.85,123.1 ; C12.2@124.8,162.27 124.8,161.32 125.85,160.27 ; C12.2@124.8,162.27 124.8,163.22 125.85,164.27 ; C31.2@174.6,117.1 174.6,117.95 175.75,119.1 ; C30.2@174.7,121.1 174.7,120.15 175.75,119.1 ; C30.2@174.7,121.1 174.7,122.05 175.75,123.1 ; C34.2@174.7,158.27 174.7,159.12 175.85,160.27 ; C33.2@174.8,162.27 174.8,161.32 175.85,160.27 ; C33.2@174.8,162.27 174.8,163.22 175.85,164.27 ; C52.2@224.7,117.1 224.7,117.95 225.85,119.1 ; C55.2@224.7,158.27 224.7,159.12 225.85,160.27 ; C51.2@224.8,121.1 224.8,120.15 225.85,119.1 ; C51.2@224.8,121.1 224.8,122.05 225.85,123.1 ; C54.2@224.8,162.27 224.8,161.32 225.85,160.27 ; C54.2@224.8,162.27 224.8,163.22 225.85,164.27 ; C74.2@274.7,117.1 274.7,117.95 275.85,119.1 ; C79.2@274.7,158.27 274.7,159.12 275.85,160.27 ; C73.2@274.8,121.1 274.8,120.15 275.85,119.1 ; C73.2@274.8,121.1 274.8,122.05 275.85,123.1 ; C78.2@274.8,162.27 274.8,161.32 275.85,160.27 ; C78.2@274.8,162.27 274.8,163.22 275.85,164.27
  other v2: 22.25,44 46.5,55.75 43,72.75 22,74.25 114,91.5 205.75,93.5 61.25,96.25 304.5,98.25 154.71,100.74 42.75,116.75 47.5,116.75 65.5,116.75 172.97,117.15 223.02,117.15 273.02,117.15 305,120.5 172.97,121.15 223.02,121.15 273.02,121.15 22,123.75 305.25,152 256.25,153.5 165.75,155.5 116,156 152.75,157.25 203,157.5 223,158.3 273,158.3 122.925,158.35 172.925,158.35 173.125,162.3 223,162.3 273,162.3 123,162.35 123.25,172.75 201.25,173 166,174.5 306,178 266.5,179.75 154.5,183.75 119.5,184 112,185 305.25,190.25 254,191.75 123.5,192.25 225.75,194.25 124.75,196 92.75,197.5 272.75,199.75 220.25,202.25 22.75,210.5 269.25,214 168,216 219.5,216.25 128,217.25 113.75,227
  other v3: 204.25,68.55 304.3,68.6 116.25,71.55 216.25,71.55
E+5V: C85.1 C129.1 Ic64.12 Ic85.4 Ic86.1 Ic86.3 R197.1 R198.1 R199.1 R200.1 R219.1 R274.1 | length 129.4
  RFsignal Top w0.508: Ic64.12@47.68,84.48 C85.1@47.68,91.31 49.06,91.31 50.25,92.5 R219.1@50.25,93.9 v2(52.5,93.9) ; v2(60,135) 60,136.3
  RFsignal Top w0.6: Ic86.3@65.4,136.3 61.5,136.3 61.5,137.3 62.4,138.2 Ic86.1@65.4,138.2
  RFsignal Top w1.2: Ic85.4@51.05,142.948 C129.1@51.05,137.45 52.2,136.3 R274.1@56,136.3 60,136.3 61.5,136.3
  Supply w0.508: v2(42.117,77.023) 40.284,78.856 40.284,92.934 41.25,93.9 v2(52.5,93.9) 52.5,125 60,132.5 v2(60,135)
  RFsignal Bottom w0.508: R199.1@40.15,65 R200.1@40.15,68 R198.1@40.15,71 R197.1@40.15,78.5 ; 40.181,77.023 v2(42.117,77.023)
E-5V: C86.2 C126.2 C127.2 Ic64.18 Ic87.5 | length 102.7
  RFsignal Top w0.508: C86.2@55.29,91.81 v2(55.29,95.15) ; Ic64.18@55.3,84.48 C86.2@55.3,91.8 ; Ic87.5@97.6,149 98.6,149 100.55,147.05 C126.2@102.5,147.05 103.75,147.05 104.5,146.3 v13(104.5,145)
  Supply w0.508: v2(55.29,95.15) 61.75,101.61 61.75,119.75 81.5,139.5 102.75,139.5 104.5,141.25 v13(104.5,145)
GND: J16.2 Jmp1.2 Jmp2.2 Jmp3.2 Jmp4.2 Jmp5.2 Jmp6.2 Jmp7.2 Jmp8.2 Jmp9.2 Jmp10.2 | length 123.1
  RFsignal Top w0.508: Jmp1.2@71.85,144.95 Jmp7.2@73,144.95 ; Jmp9.2@72.05,146.85 73,146.85 ; Jmp2.2@72.05,148.75 73,148.75 ; Jmp10.2@72.05,150.65 73,150.65 ; Jmp6.2@73.9,146.85 73,146.85 ; Jmp4.2@73.9,148.75 73,148.75 ; Jmp5.2@73.9,150.65 73,150.65 ; Jmp8.2@74.15,144.95 Jmp7.2@73,144.95 ; 74.48,152.884 74.48,152.648 73.682,151.85 Jmp3.2@73,151.85 73,150.65 ; Jmp7.2@73,144.95 73,146.85 ; 73,146.85 73,148.75 ; 73,148.75 73,150.65
  RFsignal Top w1.5: v5(46.8,159.22) 69.83,159.22 74.48,154.57 74.48,152.884
  RFsignal Top w2: J16.2@26.7,216.5 v11(33,216.5)
  Supply w1.5: v11(33,216.5) 32.1,216.5 30.05,214.45 30.05,208.6 37.25,201.4 37.25,164.05 42.08,159.22 v5(46.8,159.22)
GNDCHA: C112.2 C113.2 C116.2 Ic77.3 Ic77.6 Ic78.3 Ic78.6 J13.2 Jmp9.1 pad.@46.4,186.65 pad.@62.4,186.65 R257.2 R258.2 | length 125.6
  RFsignal Top w0.9: C116.2@42.5,169.5 42.5,167.95 43.65,166.8 47.95,166.8 47.95,165.4 48.65,164.7 ; Ic77.3@46.4,178 Ic77.6@46.4,186.65 ; 48.7,164.7 R258.2@68.95,164.7 ; R257.2@54.3,180 v2@54.3,186.65 ; 56.99,164.74 J13.2@56.99,168.2 ; 64,164.75 C113.2@64,167.8 ; v7(69.36,146.86) Jmp9.1@70.69,146.86
  RFsignal Top w1: Ic77.6@46.4,186.7 v2(54.25,186.7) Ic78.6@62.3,186.7 ; Ic78.3@62.4,178 Ic78.6@62.4,186.65
  Supply w0.9: J13.2@56.94,168.2 56.94,156.326 66.406,146.86 v7(69.36,146.86)
  Supply w1: v2(54.25,186.7) 54.25,174.085 56.94,171.395 J13.2@56.94,168.2
  other v1: 58,183 59,183 60,183 61,183.013 62,183 63,183 64,183 65,183 66,183 67,183.013 41.75,183.25 42.75,183.25 43.75,183.25 44.75,183.263 45.75,183.25 46.75,183.25 47.75,183.25 48.75,183.25 49.75,183.25 50.75,183.263 58.5,183.5 59.5,183.5 60.5,183.5 62.5,183.5 63.5,183.5 64.5,183.5 65.5,183.5 66.5,183.5 61.5,183.513 42.25,183.75 43.25,183.75 44.25,183.75 46.25,183.75 47.25,183.75 48.25,183.75 49.25,183.75 50.25,183.75 45.25,183.763 58,184 59,184 60,184 62,184 63,184 64,184 65,184 66,184 61,184.013 67,184.013 41.75,184.25 42.75,184.25 43.75,184.25 44.75,184.263 45.75,184.25 46.75,184.25 47.75,184.25 48.75,184.25 49.75,184.25 50.75,184.263 58.5,184.5 59.5,184.5 60.5,184.5 61.5,184.513 62.5,184.5 63.5,184.5 64.5,184.5 65.5,184.5 66.5,184.5 42.25,184.75 43.25,184.75 44.25,184.75 45.25,184.763 46.25,184.75 47.25,184.75 48.25,184.75 49.25,184.75 50.25,184.75 58,185 59,185 60,185 62,185 63,185 64,185 65,185 66,185 61,185.013 67,185.013 41.75,185.25 42.75,185.25 43.75,185.25 45.75,185.25 46.75,185.25 47.75,185.25 48.75,185.25 49.75,185.25 44.75,185.263 50.75,185.263 58.5,185.5 59.5,185.5 60.5,185.5 62.5,185.5 63.5,185.5 64.5,185.5 65.5,185.5 66.5,185.5 61.5,185.513 42.25,185.75 43.25,185.75 44.25,185.75 46.25,185.75 47.25,185.75 48.25,185.75 49.25,185.75 50.25,185.75 45.25,185.763 58,186 59,186 60,186 61,186.013 62,186 63,186 64,186 65,186 66,186 67,186.013 41.75,186.25 42.75,186.25 43.75,186.25 44.75,186.263 45.75,186.25 46.75,186.25 47.75,186.25 48.75,186.25 49.75,186.25 50.75,186.263 58.5,186.5 59.5,186.5 60.5,186.5 61.5,186.513 62.5,186.5 63.5,186.5 64.5,186.5 65.5,186.5 66.5,186.5 42.25,186.75 43.25,186.75 44.25,186.75 46.25,186.75 47.25,186.75 48.25,186.75 49.25,186.75 50.25,186.75 45.25,186.763 58,187 59,187 60,187 62,187 63,187 64,187 65,187 66,187 61,187.013 67,187.013 41.75,187.25 42.75,187.25 43.75,187.25 45.75,187.25 46.75,187.25 47.75,187.25 48.75,187.25 49.75,187.25 44.75,187.263 50.75,187.263 58.5,187.5 59.5,187.5 60.5,187.5 61.5,187.513 62.5,187.5 63.5,187.5 64.5,187.5 65.5,187.5 66.5,187.5 42.25,187.75 43.25,187.75 44.25,187.75 45.25,187.763 46.25,187.75 47.25,187.75 48.25,187.75 49.25,187.75 50.25,187.75 58,188 59,188 60,188 61,188.013 62,188 63,188 64,188 65,188 66,188 67,188.013 41.75,188.25 42.75,188.25 43.75,188.25 45.75,188.25 46.75,188.25 47.75,188.25 48.75,188.25 49.75,188.25 44.75,188.263 50.75,188.263 58.5,188.5 59.5,188.5 60.5,188.5 62.5,188.5 63.5,188.5 64.5,188.5 65.5,188.5 66.5,188.5 61.5,188.513 42.25,188.75 43.25,188.75 44.25,188.75 46.25,188.75 47.25,188.75 48.25,188.75 49.25,188.75 50.25,188.75 45.25,188.763 58,189 59,189 60,189 61,189.013 62,189 63,189 64,189 65,189 66,189 67,189.013 41.75,189.25 42.75,189.25 43.75,189.25 44.75,189.263 45.75,189.25 46.75,189.25 47.75,189.25 48.75,189.25 49.75,189.25 50.75,189.263 58.5,189.5 59.5,189.5 60.5,189.5 61.5,189.513 62.5,189.5 63.5,189.5 64.5,189.5 65.5,189.5 66.5,189.5 42.25,189.75 43.25,189.75 44.25,189.75 46.25,189.75 47.25,189.75 48.25,189.75 49.25,189.75 50.25,189.75 45.25,189.763 58,190 59,190 60,190 62,190 63,190 64,190 65,190 66,190 61,190.013 67,190.013 41.75,190.25 42.75,190.25 43.75,190.25 45.75,190.25 46.75,190.25 47.75,190.25 48.75,190.25 49.75,190.25 44.75,190.263 50.75,190.263
GNDCHB: C118.2 C119.2 C122.2 Ic81.3 Ic81.6 Ic82.3 Ic82.6 J15.2 Jmp10.1 pad.@83.4,186.65 pad.@99.4,186.65 R269.2 R270.2 | length 153.6
  RFsignal Top w0.9: v7@69.36,150.65 Jmp10.1@70.7,150.65 ; C122.2@79.5,169.5 79.5,167.95 80.65,166.8 84.95,166.8 84.95,165.4 85.65,164.7 ; 85.7,164.7 R270.2@105.95,164.7 ; R269.2@91.3,180 v2@91.3,186.65 ; 93.99,164.74 J15.2@93.99,168.2 ; 101,164.75 C119.2@101,167.8
  RFsignal Top w1: Ic82.3@83.4,178 Ic82.6@83.4,186.65 ; Ic82.6@83.4,186.7 v2(91.25,186.7) Ic81.6@99.3,186.7 ; Ic81.3@99.4,178 Ic81.6@99.4,186.65
  Supply w0.9: v7(69.35,150.66) 67.98,150.66 62.89,155.75 62.89,170.63 67.09,174.83 93.97,174.83
  Supply w1: v2(91.25,186.7) 91.25,182.735 93.99,179.995 J15.2@93.99,168.3
  other v1: 78.75,183 79.75,183 80.75,183 81.75,183.013 82.75,183 83.75,183 84.75,183 85.75,183 86.75,183 87.75,183.013 95,183 96,183 97,183 98,183.013 99,183 100,183 101,183 102,183 103,183 104,183.013 79.25,183.5 80.25,183.5 81.25,183.5 83.25,183.5 84.25,183.5 85.25,183.5 86.25,183.5 87.25,183.5 95.5,183.5 96.5,183.5 97.5,183.5 99.5,183.5 100.5,183.5 101.5,183.5 102.5,183.5 103.5,183.5 82.25,183.513 98.5,183.513 78.75,184 79.75,184 80.75,184 82.75,184 83.75,184 84.75,184 85.75,184 86.75,184 95,184 96,184 97,184 99,184 100,184 101,184 102,184 103,184 81.75,184.013 87.75,184.013 98,184.013 104,184.013 79.25,184.5 80.25,184.5 81.25,184.5 82.25,184.513 83.25,184.5 84.25,184.5 85.25,184.5 86.25,184.5 87.25,184.5 95.5,184.5 96.5,184.5 97.5,184.5 98.5,184.513 99.5,184.5 100.5,184.5 101.5,184.5 102.5,184.5 103.5,184.5 78.75,185 79.75,185 80.75,185 82.75,185 83.75,185 84.75,185 85.75,185 86.75,185 95,185 96,185 97,185 99,185 100,185 101,185 102,185 103,185 81.75,185.013 87.75,185.013 98,185.013 104,185.013 79.25,185.5 80.25,185.5 81.25,185.5 83.25,185.5 84.25,185.5 85.25,185.5 86.25,185.5 87.25,185.5 95.5,185.5 96.5,185.5 97.5,185.5 99.5,185.5 100.5,185.5 101.5,185.5 102.5,185.5 103.5,185.5 82.25,185.513 98.5,185.513 78.75,186 79.75,186 80.75,186 81.75,186.013 82.75,186 83.75,186 84.75,186 85.75,186 86.75,186 87.75,186.013 95,186 96,186 97,186 98,186.013 99,186 100,186 101,186 102,186 103,186 104,186.013 79.25,186.5 80.25,186.5 81.25,186.5 82.25,186.513 83.25,186.5 84.25,186.5 85.25,186.5 86.25,186.5 87.25,186.5 95.5,186.5 96.5,186.5 97.5,186.5 98.5,186.513 99.5,186.5 100.5,186.5 101.5,186.5 102.5,186.5 103.5,186.5 78.75,187 79.75,187 80.75,187 82.75,187 83.75,187 84.75,187 85.75,187 86.75,187 95,187 96,187 97,187 99,187 100,187 101,187 102,187 103,187 81.75,187.013 87.75,187.013 98,187.013 104,187.013 79.25,187.5 80.25,187.5 81.25,187.5 82.25,187.513 83.25,187.5 84.25,187.5 85.25,187.5 86.25,187.5 87.25,187.5 95.5,187.5 96.5,187.5 97.5,187.5 98.5,187.513 99.5,187.5 100.5,187.5 101.5,187.5 102.5,187.5 103.5,187.5 78.75,188 79.75,188 80.75,188 81.75,188.013 82.75,188 83.75,188 84.75,188 85.75,188 86.75,188 87.75,188.013 95,188 96,188 97,188 98,188.013 99,188 100,188 101,188 102,188 103,188 104,188.013 79.25,188.5 80.25,188.5 81.25,188.5 83.25,188.5 84.25,188.5 85.25,188.5 86.25,188.5 87.25,188.5 95.5,188.5 96.5,188.5 97.5,188.5 99.5,188.5 100.5,188.5 101.5,188.5 102.5,188.5 103.5,188.5 82.25,188.513 98.5,188.513 78.75,189 79.75,189 80.75,189 81.75,189.013 82.75,189 83.75,189 84.75,189 85.75,189 86.75,189 87.75,189.013 95,189 96,189 97,189 98,189.013 99,189 100,189 101,189 102,189 103,189 104,189.013 79.25,189.5 80.25,189.5 81.25,189.5 82.25,189.513 83.25,189.5 84.25,189.5 85.25,189.5 86.25,189.5 87.25,189.5 95.5,189.5 96.5,189.5 97.5,189.5 98.5,189.513 99.5,189.5 100.5,189.5 101.5,189.5 102.5,189.5 103.5,189.5 78.75,190 79.75,190 80.75,190 82.75,190 83.75,190 84.75,190 85.75,190 86.75,190 95,190 96,190 97,190 99,190 100,190 101,190 102,190 103,190 81.75,190.013 87.75,190.013 98,190.013 104,190.013